# Altium PCB PCB1.PcbDoc
Units mil, origin at the board's own origin, x right, y up, seen from the top; angles counter-clockwise.
Board outline 3928.52 x 3633.15 mil, 2 copper layers (Top Layer, Bottom Layer); 19 components, 16 nets, 124 pads, 1 vias.
Unrouted connection lines stored in the file: 1.
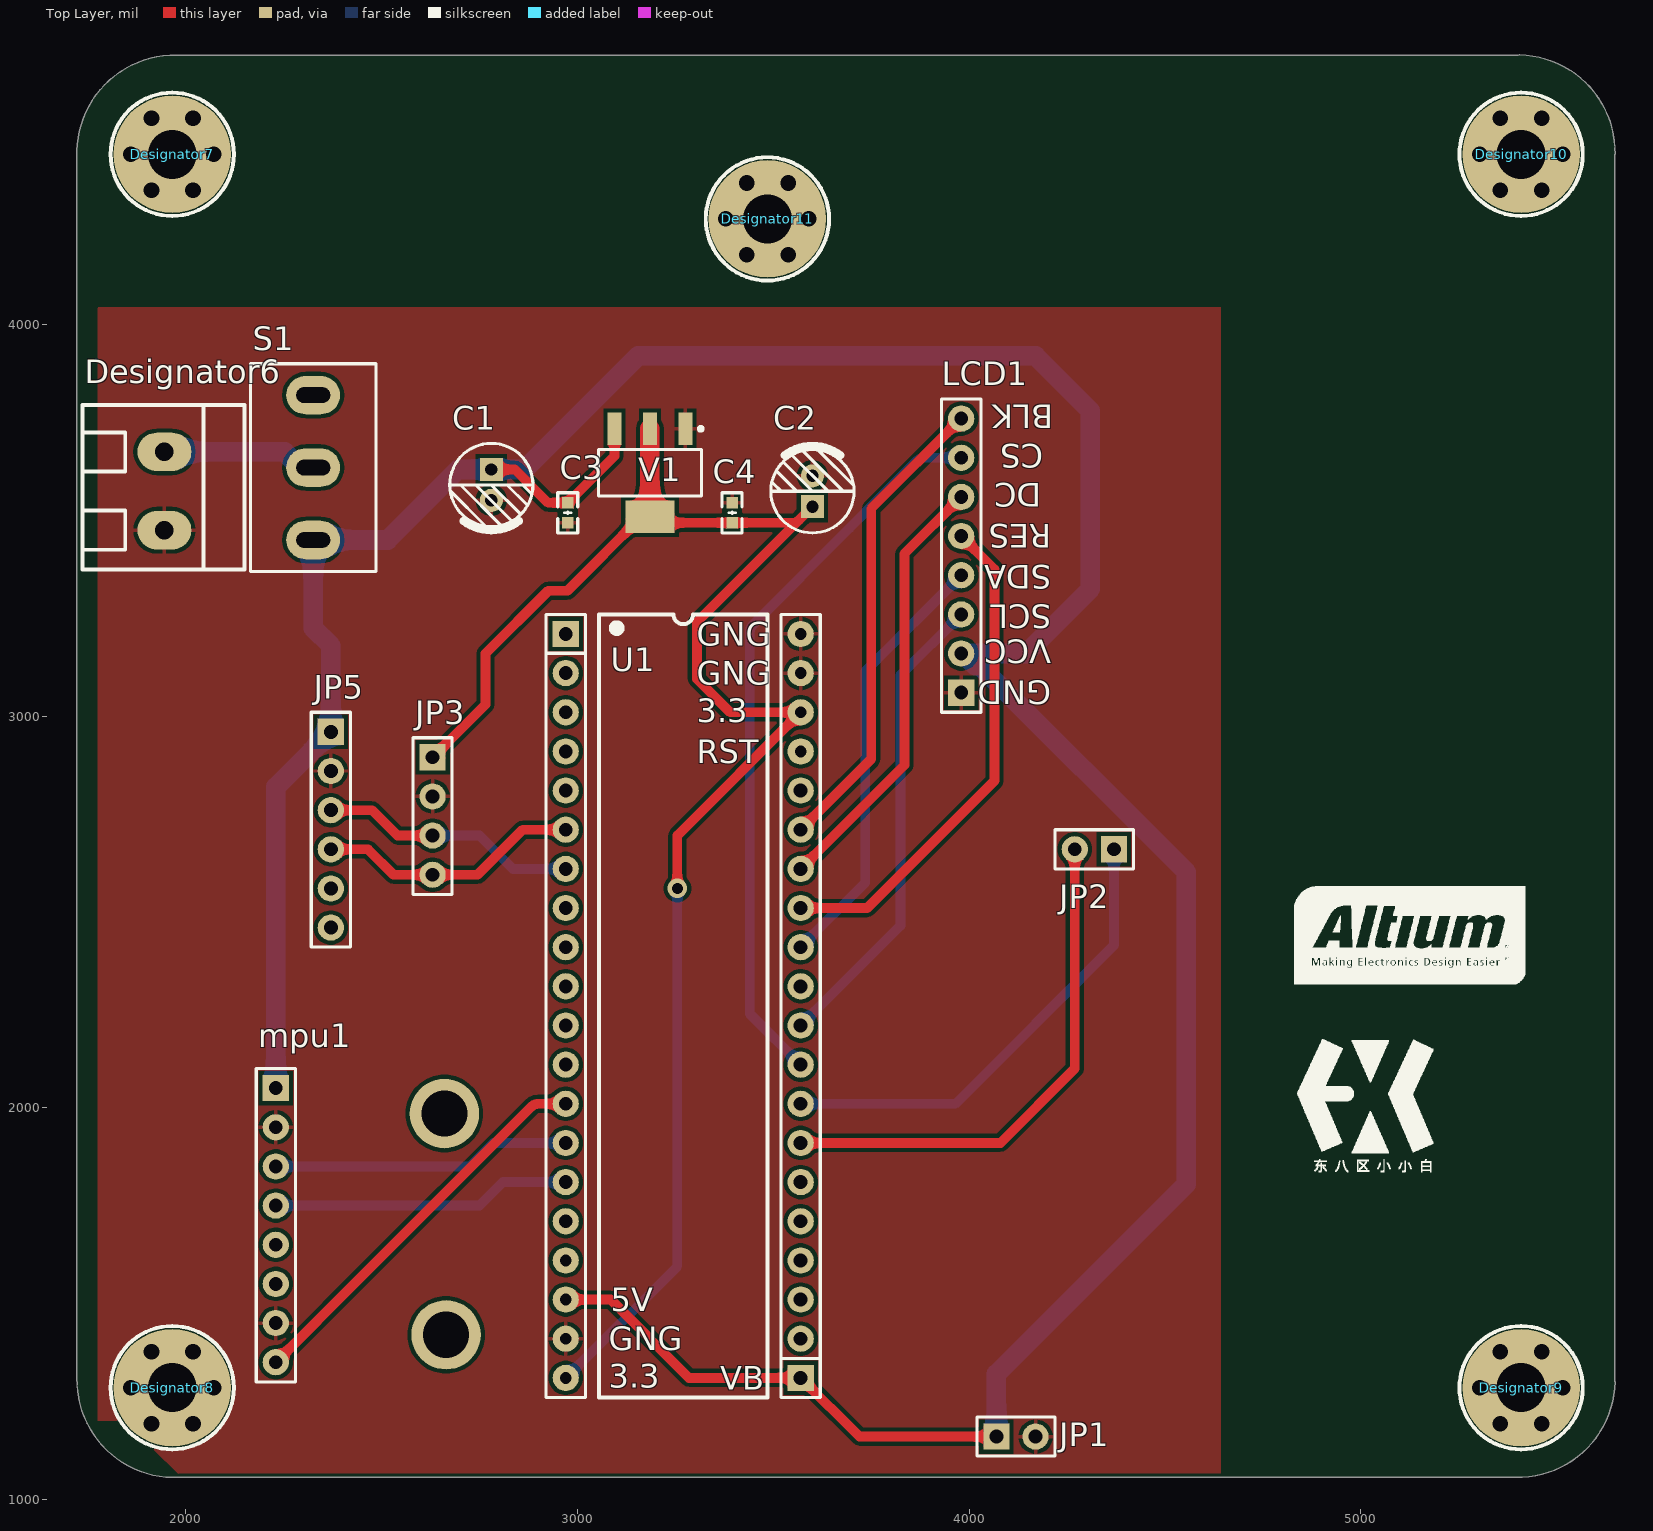
[diagram p0: Top Layer view]
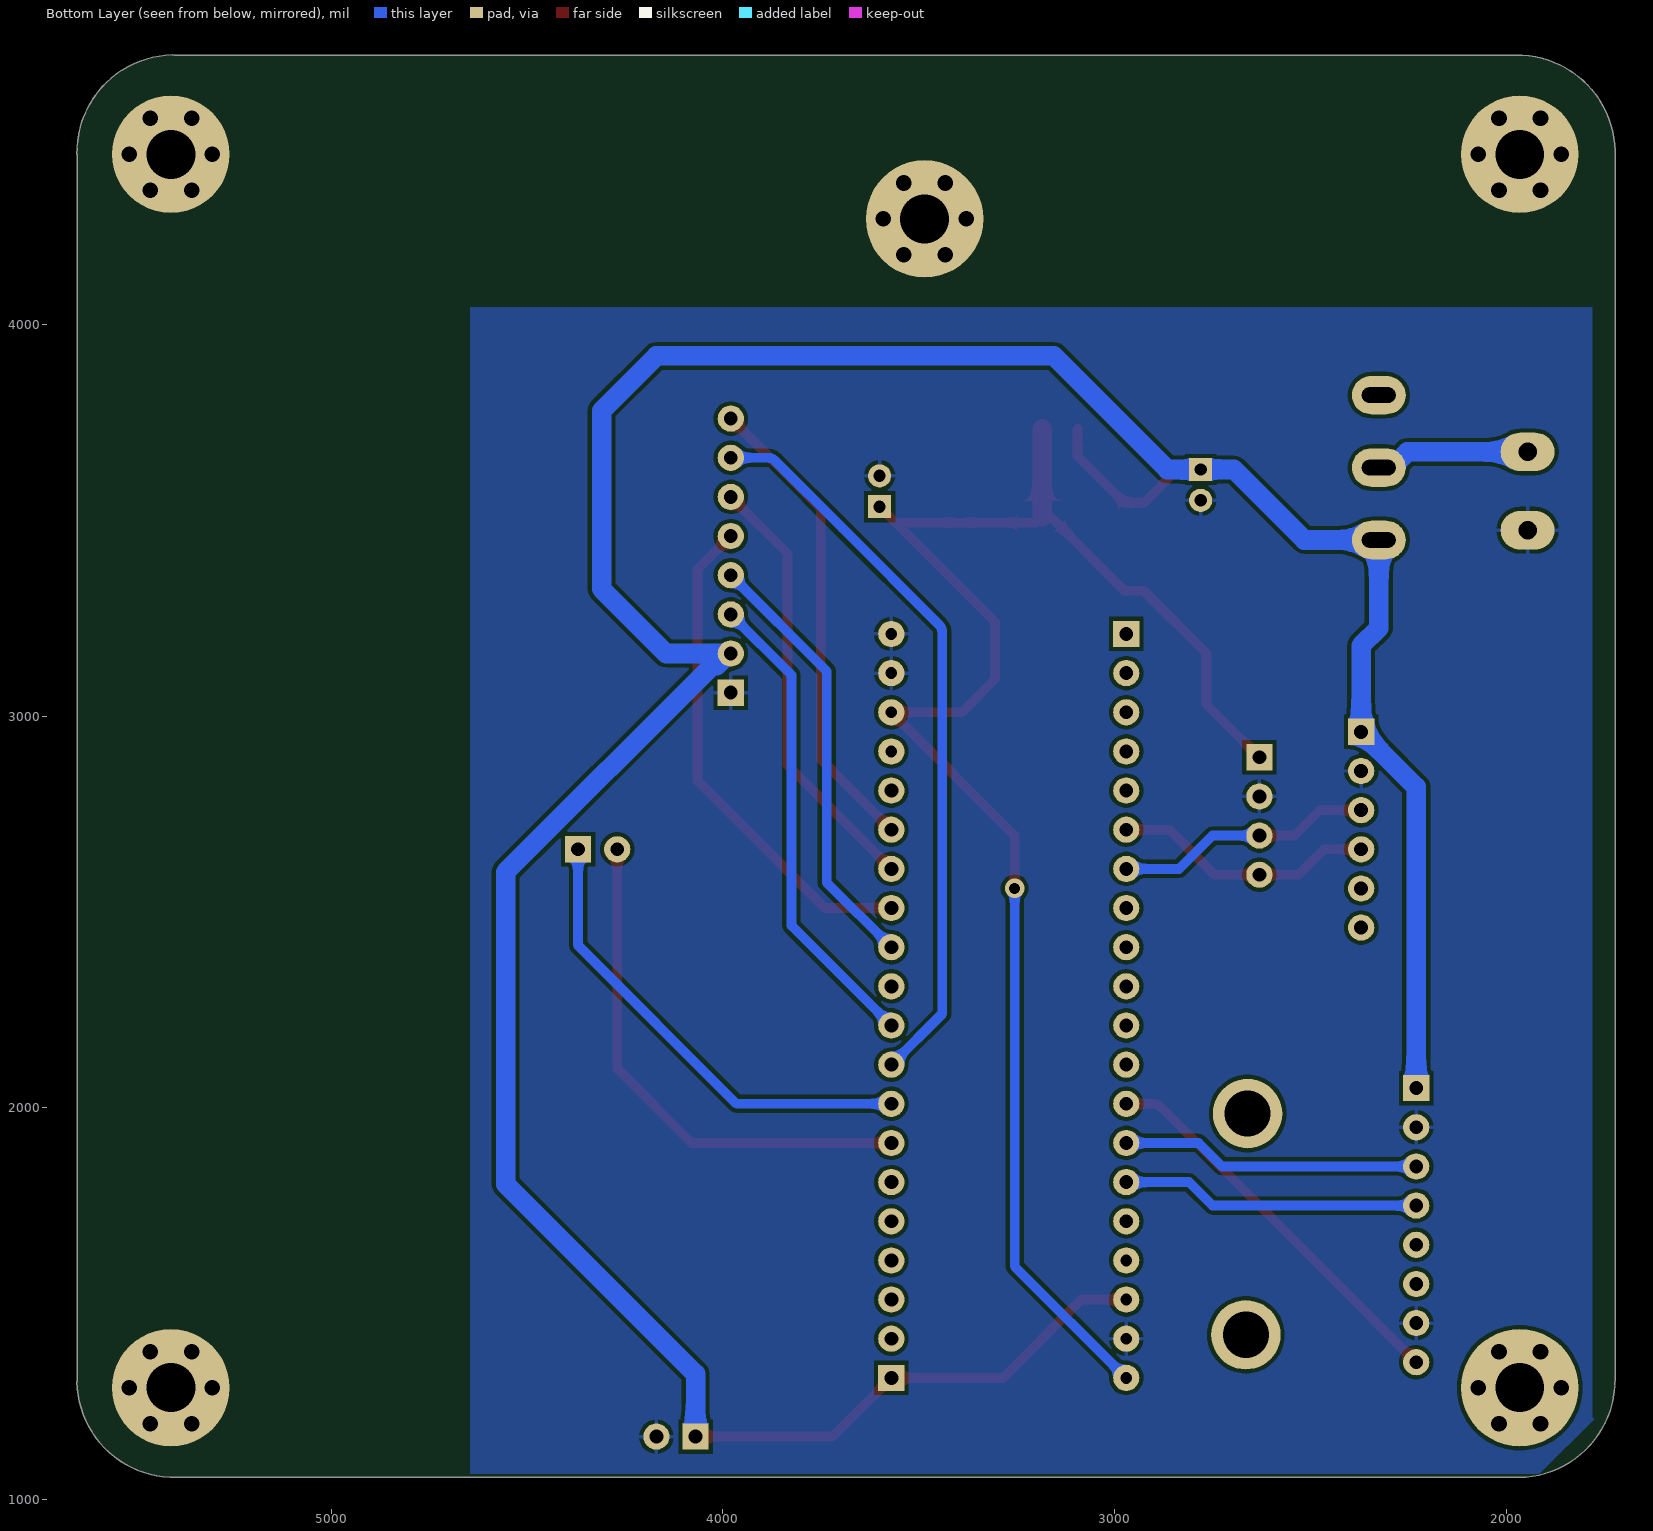
[diagram p1: Bottom Layer view, seen from below]

## Layer stack, top to bottom
Top Solder: solder mask 0.4, Solder Resist, Dk 3.5
Top Layer: signal copper 1.4
Dielectric 1: dielectric 12.6, FR-4, Dk 4.8
Bottom Layer: signal copper 1.4
Bottom Solder: solder mask 0.4, Solder Resist, Dk 3.5

## Board outline
1721.48,1309.67 ccw(c1970.53,1304.79) 1965.74,1055.74 5396.06,1055.74 ccw(c5400.95,1304.79) 5650,1300 5649.05,1300.95 5649.05,1335.95 5649.03,4435 5650,4435 ccw(c5401,4439.88) 5405.79,4688.89 5402.22,4687.78 1975.41,4687.78 ccw(c1970.53,4438.73) 1721.48,4443.52

## Design rules (kind name [scope] priority, off if disabled: settings)
Clearance [All] p1: gap=10 ignorepadtopadclearanceinfootprint=FALSE except(0: Arc-Hole Track-Hole SMDPad-Hole THPad-Hole Via-Hole Fill-Hole Poly-Hole Region-Hole Text-Hole)
PolygonConnect [All] p1: connectstyle=Relief reliefconductorwidth=10 reliefentries=4 polygonreliefangle="90 Angle" airgapwidth=10
RoutingVias [All] p1: holewidth=28 width=50 viastyle="Through Hole" minholewidth=28 minwidth=50 maxholewidth=28 maxwidth=50
SolderMaskExpansion [All] p1: expansion=4 istentingtop=FALSE
Width [All] p1: maxlimit=50 minlimit=10 preferedwidth=25
30 further rules are at their usual default settings.

## Classes and differential pairs
component class Sheet1: C1 C2 C3 C4 JP1 JP2 JP3 JP5 LCD1 mpu1 S1 U1 V1

## Components (designator, comment, footprint, x,y, rotation, side; value= is the part's Value field where it differs from the comment)
C1 "10uF" "CAP 2.0*5*11" 2780,3590.63 r270 top value=106
C2 "10uF" "CAP 2.0*5*11" 3600,3574.4 r90 top value=106
C3 "104" "C 0603_L" 2975,3519.35 r90 top
C4 "104" "C 0603_L" 3395,3519.35 r270 top
Designator6 "Comment" KF128-5.08-2P 1945,3575 r270 top
Designator7 "Comment" M3x4+6_N 1965,4435 r0 top
Designator8 "Comment" M3x4+6_N 1965,1285 r0 top
Designator9 "Comment" M3x4+6_N 5410,1285 r0 top
Designator10 "Comment" M3x4+6_N 5410,4435 r0 top
Designator11 "Comment" M3x4+6_N 3485,4270 r0 top
JP1 "HDR-1X2" HDR2.54-M-LI-2P 4120,1160 r0 top locked
JP2 "HDR-1X2" HDR2.54-M-LI-2P 4320,2660 r180 top locked
JP3 "HDR-1X4" HDR2.54-M-LI-4P 2630,2745 r270 top
JP5 "HDR-1X6" HDR2.54-M-LI-6P 2370,2710 r270 top
LCD1 "1.44\"TFT-LCD" "1.44\"TFT-LCD" 3980,3060 r90 top
mpu1 "MPU6050" MPU6050 2229.45,1700 r270 top
S1 "MTS-10x" MTS-10x 2325,3634.96 r90 top
U1 "STM32F103核心板" STM32F103C8 3270,2260 r0 top
V1 "AMS1117-3V3" SOT223_L 3185,3621.71 r270 top

## Footprints (in the part's own frame and the unit in brackets; to place one, negate y for a bottom-side part, rotate by r counter-clockwise, add the part's x,y. Pads: shape width x height; smd on the part's side, far side on the other; paste and mask are expansions set on the pad)
"1.44\"TFT-LCD" [mm]
  rect 1.7x1.7 hole 0.9: 1(0,0)
  round 1.7 hole 0.9: 2(2.54,0) 3(5.08,0) 4(7.62,0) 5(10.16,0) 6(12.7,0) 7(15.24,0) 8(17.78,0)
  silkscreen extent -1.27,-1.27 19.05,1.27, body extent -5.98,-41.43 24.02,2.57, height 15.94
"C 0603_L" [mil] "无极性贴片电容                                       淘宝ID:黄晶宝石"
  rect 30x30 smd: 1(-25.59,0) 2(25.59,0)
  silkscreen extent -51,-26 51,26, body extent -31,-16 31,16, height 32
"CAP 2.0*5*11" [mm] "脚距2mm直径5mm高度11mm                 淘宝ID:黄晶宝石"
  rect 1.5x1.5 hole 0.8: 1(-1,0)
  round 1.5 hole 0.8: 2(1,0)
  silkscreen extent -2.7,-2.7 2.96,2.7, body extent -2.5,-2.5 2.51,2.5, height 11.04
HDR2.54-M-LI-2P [mm] "排母，2脚    淘宝ID:黄晶宝石   店铺网址:https://shop463601444.taobao.com"
  rect 1.7x1.7 hole 0.9: 1(-1.27,0)
  round 1.7 hole 0.9: 2(1.27,0)
  silkscreen extent -2.54,-1.27 2.54,1.27, body extent -2.54,-1.27 2.54,1.27, height 8.5
HDR2.54-M-LI-4P [mm] "排母，4脚  淘宝ID:黄晶宝石   店铺网址:https://shop463601444.taobao.com"
  rect 1.7x1.7 hole 0.9: 1(-3.81,0)
  round 1.7 hole 0.9: 2(-1.27,0) 3(1.27,0) 4(3.81,0)
  silkscreen extent -5.08,-1.27 5.08,1.27, body extent -5.08,-1.27 5.08,1.27, height 8.5
HDR2.54-M-LI-6P [mm] "排母，6脚  淘宝ID:黄晶宝石   店铺网址:https://shop463601444.taobao.com"
  rect 1.7x1.7 hole 0.9: 1(-6.35,0)
  round 1.7 hole 0.9: 2(-3.81,0) 3(-1.27,0) 4(1.27,0) 5(3.81,0) 6(6.35,0)
  silkscreen extent -7.62,-1.27 7.62,1.27, body extent -7.62,-1.27 7.62,1.27, height 8.5
KF128-5.08-2P [mm] "螺钉式接线端子，脚距5.08mm"
  oval 2.5x3.5 hole 1.2: 1(-2.54,0) 2(2.54,0)
  silkscreen extent -5.59,-5.31 5.08,5.21, body extent -5.58,-5.3 5.08,5.2, height 14.15
M3x4+6_N [mil] "M3铜柱，长：4mm，螺纹长：6mm"
  round 40 hole 40: 1(-106,0) 1(-53,-91.8) 1(-53,91.8) 1(53,-91.8) 1(53,91.8) 1(106,0)
  round 300 hole 125: 1(0,0)
  silkscreen extent -157,-157 157,157, body extent -106,-93 106,93, height 159
MPU6050 [mm]
  round 4.5 hole 3: 0(-7.239,10.936) 0(7.112,11.049)
  rect 1.7x1.7 hole 0.9: 1(-8.89,0)
  round 1.7 hole 0.9: 2(-6.35,0) 3(-3.81,0) 4(-1.27,0) 5(1.27,0) 6(3.81,0) 7(6.35,0) 8(8.89,0)
  silkscreen extent -10.16,-1.27 10.16,1.27, body extent -10.16,-1.4 10.16,13.84, height 11.93
MTS-10x [mm] "MTS10系列3脚扭子开关      淘宝ID:黄晶宝石"
  oval 2.5x3.5 hole 1 slot 2.2 at 90 deg unplated: 1(-4.7,0) 2(0,0) 3(4.7,0)
  silkscreen extent -6.73,-4.06 6.73,4.06, body extent -6.6,-3.95 6.6,3.95, height 30.47
SOT223_L [mm] "SOT223, 4-Leads, Body 6.5x3.5mm, Pitch 2.3mm, Lead Span 7mm, IPC High Density"
  rect 2.1x0.9 smd: 1(-2.85,2.3) 2(-2.85,0) 3(-2.85,-2.3)
  rect 2.1x3.2 smd: 4(2.85,0)
  silkscreen extent -2.97,-3.35 1.5,3.43, body extent -1.85,-3.35 1.85,3.35, height 1.7
STM32F103C8 [mm]
  rect 1.7x1.7 hole 0.9: 1(-7.62,24.13) 21(7.62,-24.13)
  round 1.7 hole 0.9: 2(-7.62,21.59) 3(-7.62,19.05) 4(-7.62,16.51) 5(-7.62,13.97) 6(-7.62,11.43) 7(-7.62,8.89) 8(-7.62,6.35) 9(-7.62,3.81) 10(-7.62,1.27) 11(-7.62,-1.27) 12(-7.62,-3.81) 13(-7.62,-6.35) 14(-7.62,-8.89) 15(-7.62,-11.43) 16(-7.62,-13.97) 22(7.62,-21.59) 23(7.62,-19.05) 24(7.62,-16.51) 25(7.62,-13.97) 26(7.62,-11.43) 27(7.62,-8.89) 28(7.62,-6.35) 29(7.62,-3.81) 30(7.62,-1.27) 31(7.62,1.27) 32(7.62,3.81) 33(7.62,6.35) 35(7.62,8.89) 35(7.62,11.43) 36(7.62,13.97)
  round 1.7 hole 0.762: 17(-7.62,-16.51) 18(-7.62,-19.05) 19(-7.62,-21.59) 20(-7.62,-24.13) 37(7.62,16.51) 38(7.62,19.05) 39(7.62,21.59) 40(7.62,24.13)
  silkscreen extent -8.89,-25.4 8.89,25.4, body extent -11.43,-27.27 11.43,27.01, height 12.7

## Part data
C1 C2: library part "Cap Pol3", "Polarized Capacitor (Surface Mount)", LatestRevisionDate=29-May-2009, LatestRevisionNote="IPC-7351 Footprint Added.", PackageDescription="Chip Capacitor", PackageReference=C0805, Published=8-Jun-2000, Publisher="Altium Limited"
C3 C4: library part C, "贴片电容", BOM名称=无极性贴片电容, 唯一出售店铺网址=https://shop463601444.taobao.com, 淘宝ID="封装库来自淘宝 ID：黄晶宝石", 联系售后，技术支持=https://shop463601444.taobao.com
JP1 JP2: library part "Header 2", "2P接插件", BOM名称=2P接插件, 版权归属="封装库来自淘宝 ID：黄晶宝石", 联系售后=https://shop463601444.taobao.com
JP3: library part "Header 4", "4P接插件", BOM名称=4P接插件, 学习资源=https://shop463601444.taobao.com, 版权归属="封装库来自淘宝 ID：黄晶宝石"
JP5: library part "Header 6", "6P接插件", BOM名称=6P接插件, 学习资源=https://shop463601444.taobao.com, 版权归属="封装库来自淘宝 ID：黄晶宝石"
S1: "MTS10x系列3脚扭子开关", BOM名称=MTS10x系列3脚扭子开关, 学习资源=https://shop463601444.taobao.com, 版权归属="封装库来自淘宝 ID：黄晶宝石"
V1: library part AMS1117, "三端稳压芯片", BOM名称=稳压芯片, 欢迎光临淘宝店铺=https://shop463601444.taobao.com, 淘宝ID="封装库来自淘宝 ID：黄晶宝石"

## Via types
v1: diameter 50, hole 28, Top Layer to Bottom Layer, 1 vias

## Nets (pads, with @x,y where several pads share a name; then routed paths per layer and width w, separated by ;. In a path a pad name is that pad's centre, name@x,y a point inside that pad or via, vN(x,y) a via of type N, cw(c..) or ccw(c..) an arc to the next point about the centre after c; other vN are vias at no path point)
3.3V: C2.1 C4.2 JP3.1 U1.20 U1.38 V1.2 V1.4 | length 4310.6
  Top Layer w25: JP3.1 2765,3030 2765,3160 2925.33,3320.33 2974.17,3320.33 3163.35,3509.51 V1.4 3200.75,3493.76 C4.2 3548.37,3493.76 ccw(c3548.37,3518.76) 3566.02,3501.05 3305,3240.03 3305,3095 3390,3010 U1.38 3255,2695 v1(3255,2560) ; 3566.05,3501.08 C2.1
  Top Layer w50: V1.4 V1.2
  Bottom Layer w25: U1.20 3255,1595 v1(3255,2560)
+5: C1.1 C3.2 Designator6.1 JP1.1 JP5.1 LCD1.2 mpu1.1 S1.1 S1.2 U1.18 U1.21 V1.3 | length 9129.7
  Top Layer w25: C1.1 2840,3630 2925.06,3544.94 C3.2 3094.45,3664.39 V1.3 ; U1.18 3085,1510 3285,1310 U1.21 3720,1160 JP1.1
  Bottom Layer w50: Designator6.1 2252.17,3675 2282.95,3644.23 2323.52,3644.23 2325,3645.71 S1.2 ; mpu1.1 2229.45,2819.45 JP5.1 2370,3180 2325,3225 S1.1 2514.92,3449.92 2695,3630 C1.1 2865,3630 3155,3920 4170,3920 4310,3780 4310,3325 4145,3160 LCD1.2@3984.58,3160 ; LCD1.2 LCD1.2@3984.58,3160 ; JP1.1 4070,1320 4555,1805 4555,2601.43 4027.96,3128.46 4016.12,3128.46 LCD1.2@3984.58,3160
GND: C1.2 C2.2 C3.1 C4.1 Designator6.2 JP1.2 JP3.2 JP5.2 LCD1.1 mpu1.2 mpu1.7 U1.19 U1.39 U1.40 V1.1
NetJP2_1: JP2.1 U1.28 | length 1212.8
  Bottom Layer w25: U1.28 3965,2010 4370,2415 JP2.1
NetJP2_2: JP2.2 U1.27 | length 1338.7
  Top Layer w25: U1.27 4080,1910 4270,2100 JP2.2
NetJP3_3: JP3.3 JP5.3 U1.7 | length 662.1
  Top Layer w25: JP5.3 2475,2760 2540,2695 JP3.3
  Bottom Layer w25: JP3.3 2750,2695 2835,2610 U1.7
NetJP3_4: JP3.4 JP5.4 U1.6 | length 678.7
  Top Layer w25: JP5.4 2465,2660 2530,2595 JP3.4 2635,2590 2640,2595 2745,2595 2860,2710 U1.6
PA4: LCD1.7 U1.29 | length 1886.9
  Bottom Layer w25: U1.29 3440,2240 3440,3214.72 cw(c3465,3214.64) 3447.27,3232.27 3695.07,3480.07 ; 3695.08,3480.08 3867.71,3652.71 cw(c3885.36,3635) 3885.28,3660 3885.36,3660 LCD1.7
PA5: LCD1.3 U1.30 | length 1219.8
  Bottom Layer w25: U1.30 3825,2465 3825,3105 LCD1.3
PA7: LCD1.4 U1.32 | length 1119.8
  Bottom Layer w25: U1.32 3735,2575 3735,3115 LCD1.4
PB0: LCD1.5 U1.33 | length 1289.8
  Top Layer w25: U1.33 3740,2510 4065,2835 4065,3375 LCD1.5
PB1: LCD1.6 U1.35@3570,2610 | length 1119.8
  Top Layer w25: U1.35@3570,2610 3835,2875 3835,3415 LCD1.6
PB5: mpu1.8 U1.13 | length 1012.9
  Top Layer w25: mpu1.8 2444.95,1565.5 ccw(c2427.27,1583.18) 2445,1565.55 2882.16,2002.71 cw(c2899.8,1985) 2899.73,2010 2899.8,2010 U1.13
PB6: mpu1.3 U1.14 | length 765.4
  Bottom Layer w25: mpu1.3 2725,1850 2785,1910 U1.14
PB7: mpu1.4 U1.15 | length 765.4
  Bottom Layer w25: mpu1.4 2750,1750 2810,1810 U1.15
PB10: LCD1.8 U1.35@3570,2710 | length 1219.8
  Top Layer w25: U1.35@3570,2710 3750,2890 3750,3530 LCD1.8
pads on no net: Designator7.1 Designator8.1 Designator9.1 Designator10.1 Designator11.1 JP5.5 JP5.6 mpu1.0 mpu1.5 mpu1.6 S1.3 U1.1 U1.2 U1.3 U1.4 U1.5 U1.8 U1.9 U1.10 U1.11 U1.12 U1.16 U1.17 U1.22 U1.23 U1.24 U1.25 U1.26 U1.31 U1.36 U1.37

## Polygon pours and split planes (outlines as drawn)
GND on Top Layer "GND_L01_P001" (solid, pour order 1): 4640,4045 4642.65,4047.65 4642.65,1066.48 1981.48,1066.48 1980,1065 1845,1200 1775,1200 1775,4040 1770,4045
GND on Bottom Layer "GND_L02_P002" (solid, pour order 2): 4645,4045 4645,1065 1915,1065 1775,1205 1780,1210 1780,4045

## Silkscreen, mask and mechanical layers (free items; w line width, h text height)
Top Overlay:
  drawing of 2995 lines, arcs and shapes, not listed
Mechanical 13:
  lines w10: 5402.22,4687.78 1975.41,4687.78 ccw(c1970.53,4438.73) 1721.48,4443.52 1721.48,1309.67 ccw(c1970.53,1304.79) 1965.74,1055.74 5396.06,1055.74 ccw(c5400.95,1304.79) 5650,1300 ; 5405.79,4688.89 cw(c5401,4439.88) 5650,4435 ; 5649.05,1300.95 5649.05,1335.95 5649.03,4435

## Text inside footprints (layer, text, board x,y; h text height)
LCD1: Top Overlay "VCC" at 4210,3195 h60 r180; Top Overlay "GND" at 4210,3090 h60 r180; Top Overlay "BLK" at 4215,3795 h60 r180; Top Overlay "CS" at 4190,3695 h60 r180; Top Overlay "DC" at 4185,3595 h60 r180; Top Overlay "RES" at 4210,3490 h60 r180; Top Overlay "SCL" at 4210,3285 h60 r180; Top Overlay "SDA" at 4210,3385 h60 r180
U1: Top Overlay "5V" at 3085,1480 h60; Top Overlay "RST" at 3305,2880 h60; Top Overlay "3.3" at 3305,2985 h60; Top Overlay "GNG" at 3305,3080 h60; Top Overlay "GNG" at 3305,3180 h60; Top Overlay "GNG" at 3080,1380 h60; Top Overlay "3.3" at 3080,1285 h60; Top Overlay "VB" at 3365,1280 h60